# Altium PCB roach2.PcbDoc (part 7 of 39)
Units mil, origin at the board's own origin, x right, y up, seen from the top; angles counter-clockwise.
Board outline 12007.87 x 9606.3 mil, 16 copper layers (L1_TOP, L2_G, L3_S, L4_G, L5_S, L6_P, L7_G, L8_R, L9_R, L10_P, L11_P, L12_S, L13_P, L14_S, L15_G, L16_BOT), stack 81.651 mil thick; 1568 components, 1918 nets, 9251 pads, 6741 vias.
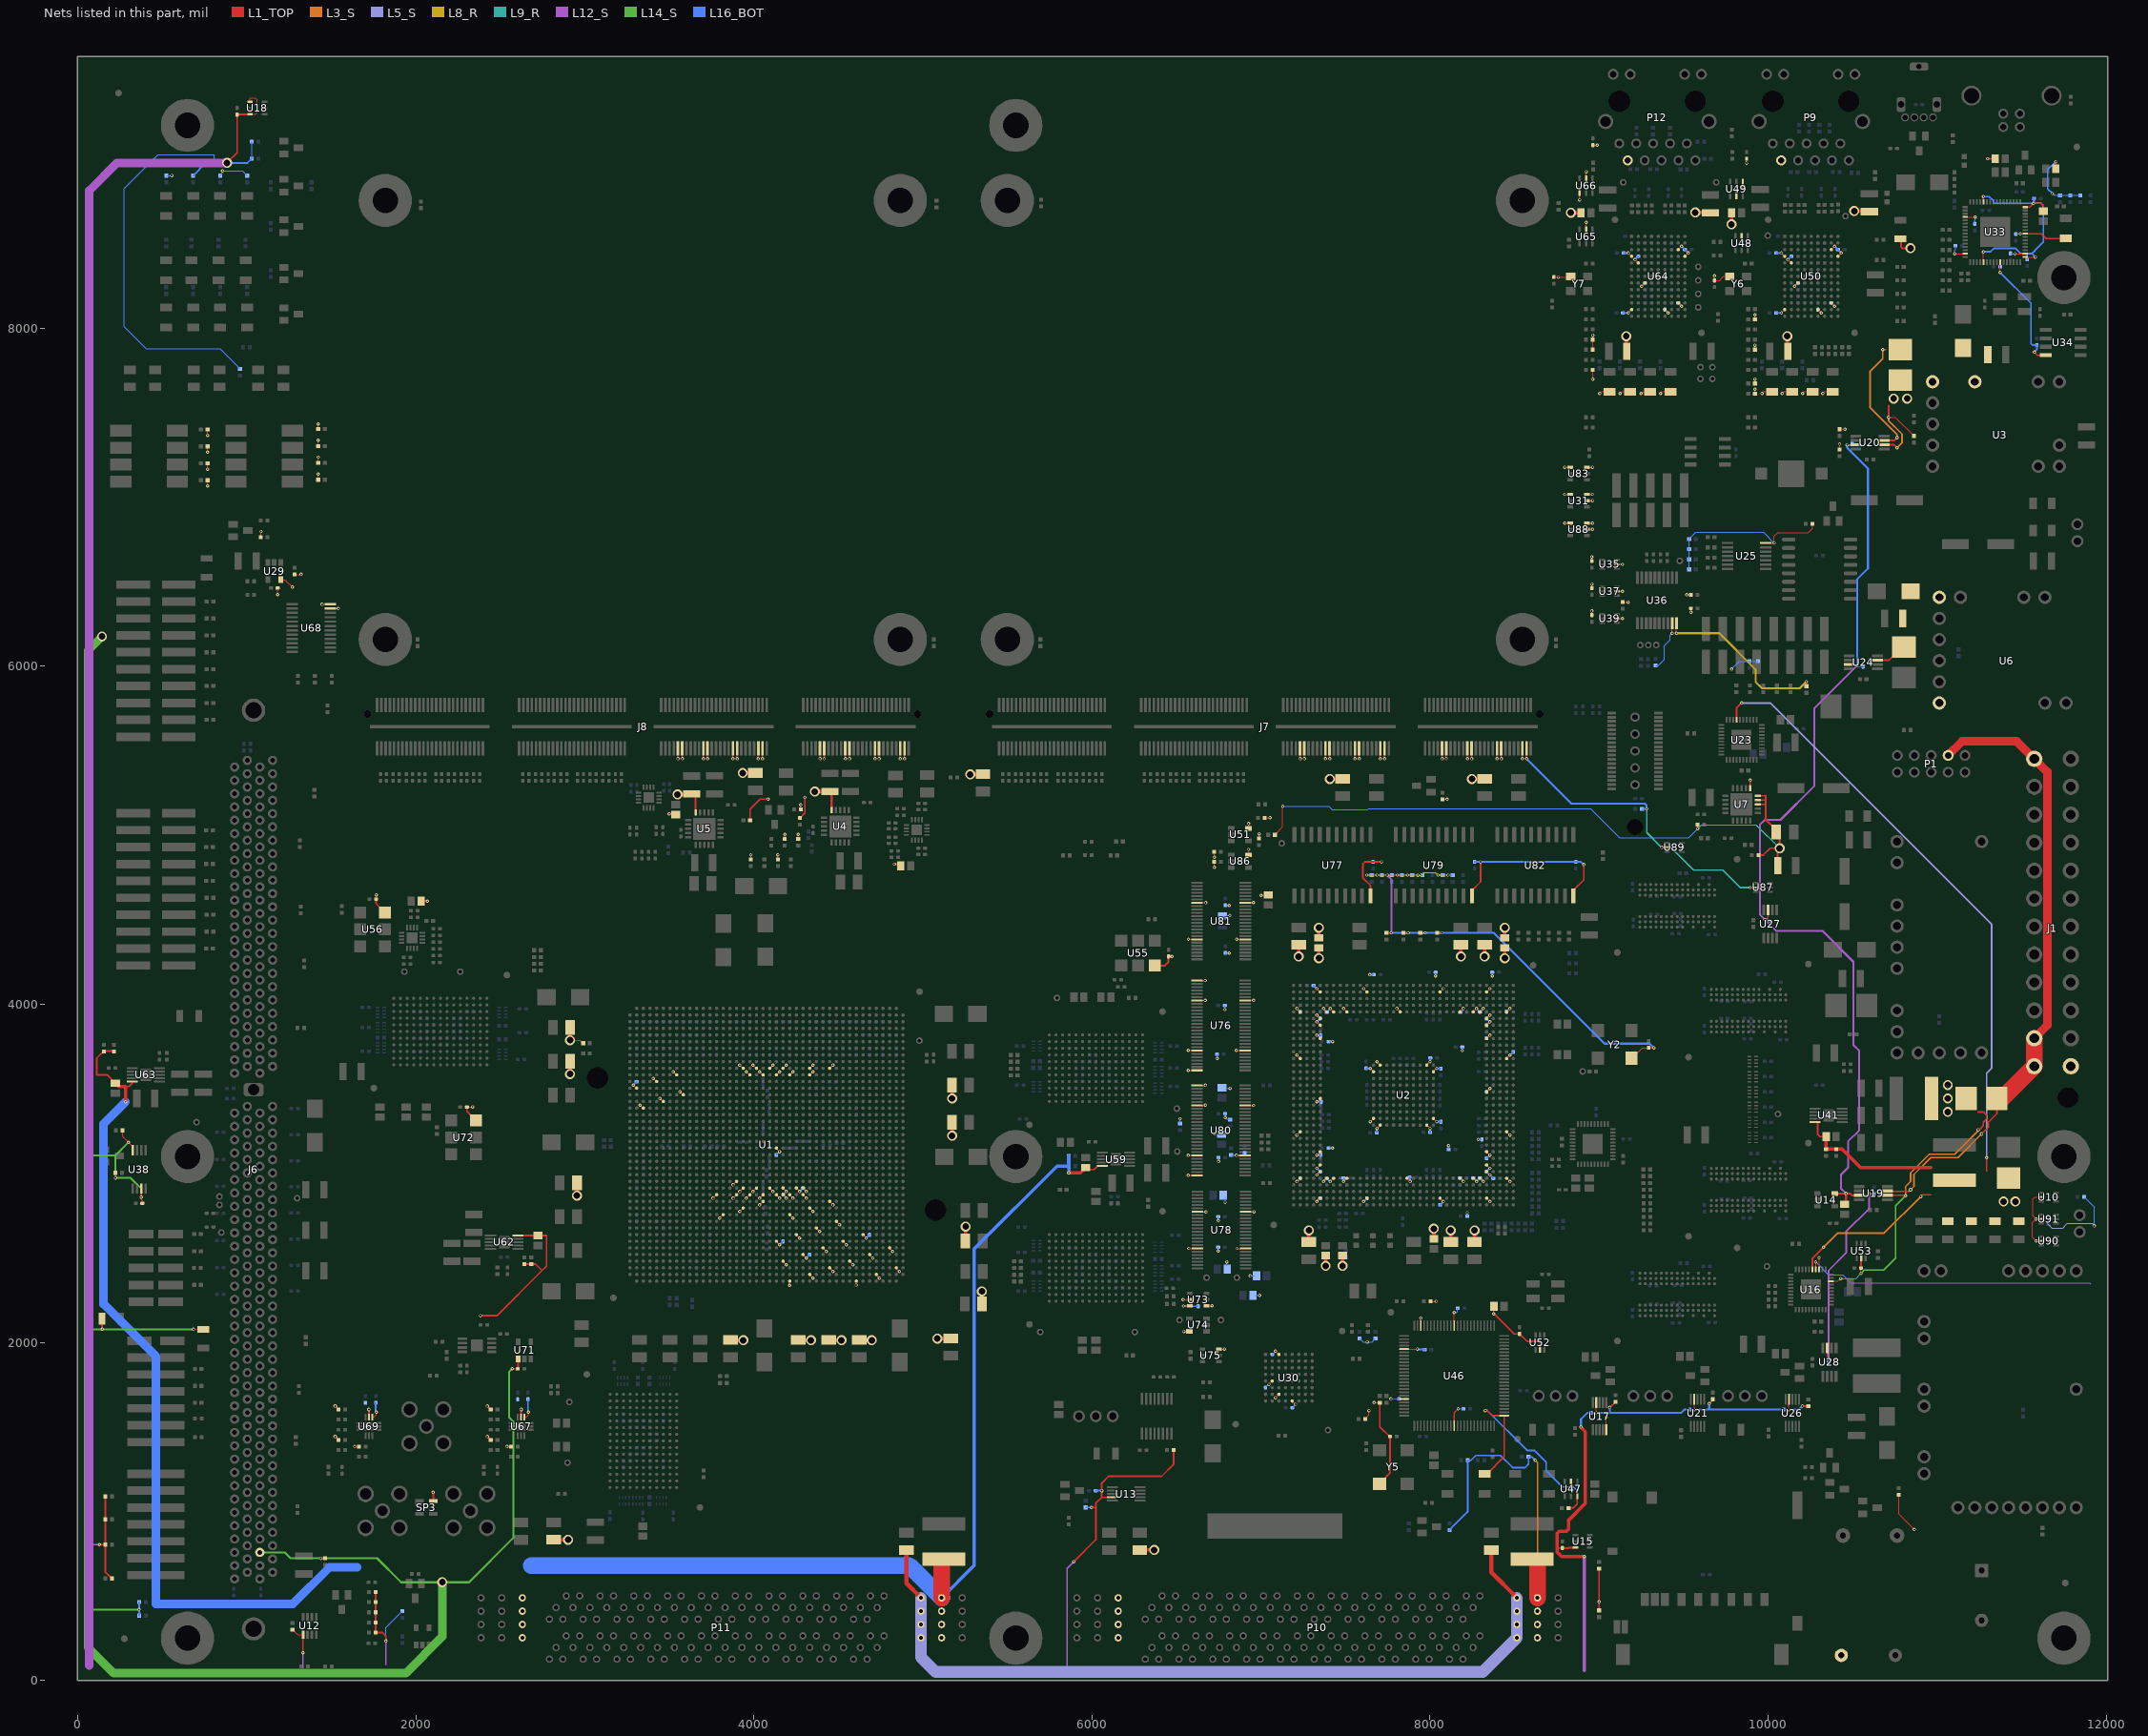
[diagram p21: the nets of this part, all layers, seen from the top]

## Via types
v1: diameter 19.4, hole 10, L1_TOP to L16_BOT, tented both sides, 3354 vias
v2: diameter 19.4, hole 10, L1_TOP to L16_BOT, 1954 vias
v3: diameter 19.4, hole 10, L1_TOP to L16_BOT, tented top, 429 vias
v4: diameter 18.6, hole 10, L1_TOP to L16_BOT, tented both sides, 311 vias
v5: diameter 59.06, hole 39.37, L1_TOP to L16_BOT, 217 vias
v6: diameter 19.4, hole 10.04, L1_TOP to L16_BOT, 125 vias
v7: diameter 19, hole 10, L1_TOP to L16_BOT, 93 vias
v8: diameter 19.4, hole 10, L1_TOP to L16_BOT, tented bottom, 80 vias
v9: diameter 25.98, hole 12.99, L1_TOP to L16_BOT, tented top, 55 vias
v10: diameter 20, hole 10, L1_TOP to L16_BOT, 53 vias
v11: diameter 59.06, hole 39.37, L1_TOP to L16_BOT, tented top, 44 vias
v12: diameter 20, hole 10, L1_TOP to L16_BOT, tented top, 16 vias
v13: diameter 19, hole 10, L1_TOP to L16_BOT, tented top, 5 vias
v14: diameter 25.98, hole 12.99, L1_TOP to L16_BOT, 4 vias
v15: diameter 50, hole 28, L1_TOP to L16_BOT, 1 vias

## Nets (pads, with @x,y where several pads share a name; then routed paths per layer and width w, separated by ;. In a path a pad name is that pad's centre, name@x,y a point inside that pad or via, vN(x,y) a via of type N, cw(c..) or ccw(c..) an arc to the next point about the centre after c; other vN are vias at no path point) (continued)
1V8_FTDI: C170.2 C171.2 C185.2 U33.12 U33.37 U33.49 U33.64 | length 1406.7
  L1_TOP w5: U33.37@11274.09,8390.84 v3(11274.09,8451.3) ; U33.12@11274.09,8747.14 v3(11274.09,8778.99) ; U33.49@11521.14,8421.35 v2(11581.6,8421.35)
  L1_TOP w10: U33.64@11521.14,8716.63 11548.08,8716.63 v2(11570.24,8738.79) 11615.19,8738.79 11627.99,8725.99 C185.2@11627.99,8692.52
  L16_BOT w10: v3(11274.09,8451.3) 11275.78,8452.99 11316.18,8452.99 11335.02,8471.83 11464.15,8471.83 11493.96,8442.02 11530.99,8442.02 ; v3@11274.99,8778.09 v3(11274.09,8778.99) 11307.99,8778.99 11331.99,8754.99 11331.99,8738.79 v2(11570.24,8738.79) v2@11573.31,8741.86 ; C171.2@11532.99,8407.68 11532.99,8440.02 11530.99,8442.02 ; C170.2@11573.31,8767.99 v2@11573.31,8741.86 ; v2(11581.6,8421.35) 11560.93,8442.02 ; 11530.99,8442.02 11560.93,8442.02 ; 11560.93,8442.02 11576.99,8458.08 11576.99,8458.99 11627.99,8509.99 11627.99,8725.99 11615.19,8738.79 11576.37,8738.79 v2@11573.31,8741.86
1V8_PPC: C61.2 C62.2 C63.2 C64.2 C65.2 C66.2 C67.2 C68.1 C69.1 C70.2 C71.2 C72.2 C73.2 C74.2 C75.2 C76.2 L9.2 U2.AA13 U2.AB14 U2.AC2 U2.AF5 U2.AH5 U2.AJ5 U2.AK2 U2.AK6 U2.AK7 U2.AK9 U2.AK18 U2.AN5 U2.AN12 U2.V5 | length 956.9
  L1_TOP w5: U2.V5@7862.68,2970.87 v1(7882.36,2951.18) ; U2.AA13@7980.79,3285.83 v1(8000.47,3266.14) ; U2.AB14@8020.16,3325.2 v1(8039.84,3305.51) ; U2.AC2@8059.53,2852.76 v1(8079.21,2833.07) ; U2.AF5@8177.64,2970.87 v1(8197.32,2951.18) ; U2.AH5@8256.38,2970.87 v1(8276.06,2951.18) ; U2.AJ5@8295.75,2970.87 v1(8315.43,2951.18) ; U2.AK2@8335.12,2852.76 v1(8354.8,2833.07) ; U2.AK6@8335.12,3010.24 v1(8354.8,2990.55) ; U2.AK7@8335.12,3049.61 v1(8354.8,3029.92) ; U2.AK9@8335.12,3128.35 v1(8354.8,3108.66) ; U2.AK18@8335.12,3482.68 v1(8354.8,3502.36) ; U2.AN5@8453.23,2970.87 v1(8472.91,2951.18) ; U2.AN12@8453.23,3246.46 v1(8472.91,3226.77)
  L1_TOP w20: L9.2@8022.99,2627.52 v5(8022.99,2672.99) ; C68.1@8122.99,2594.17 8122.99,2592.99 C68.1@8127.99,2587.99 ; C68.1@8122.99,2607.52 v5(8122.99,2662.99) ; C69.1@8257.99,2597.99 8258.58,2598.58 8262.99,2602.99 v5@8262.99,2652.99
  L16_BOT w10: C64.2@7879.92,2976.38 7883.86,2974.41 7882.88,2973.43 7882.36,2972.91 v1(7882.36,2951.18) ; C66.2@8000,3242.13 8000,3265.75 8000.43,3266.18 v1@8001.97,3267.72 ; v1(8039.84,3305.51) 8062.6,3305.51 8063.98,3304.13 8064.96,3303.15 C65.2@8064.96,3305.12 ; C73.2@8059.05,2812.99 8061.02,2812.99 v1@8078.74,2830.71 ; C74.2@8110.24,3147.64 v1(8110.24,3163.39) v1@8110.24,3167.32 ; C61.2@8185.04,2966.54 8197.32,2954.25 v1(8197.32,2951.18) ; C76.2@8220.47,2751.97 v1(8220.47,2767.72) v1@8220.47,2771.65 ; C70.2@8255.91,2972.44 8275.59,2952.76 v1@8276.06,2952.76 ; v1(8276.06,2951.18) v1@8276.06,2952.76 ; v1@8277.56,2952.76 v1@8276.06,2952.76 ; v1@8281.5,3200.79 v1(8285.43,3200.79) C72.2@8301.18,3200.79 ; C62.2@8285.43,2964.57 8276.06,2955.2 v1@8276.06,2952.76 ; C62.2@8295.28,2972.44 v1@8314.96,2952.76 ; C63.2@8334.65,3088.58 8354.33,3108.27 8354.33,3108.66 v1@8354.33,3110.24 ; C67.2@8334.65,3482.28 v1@8354.33,3501.97 ; v1@8352.36,2990.16 8352.36,2990.55 8352.36,2992.13 C71.2@8334.65,3009.84 v1@8352.36,3027.56 ; v1@8356.32,2987.66 8373.85,2970.13 C75.2@8374.04,2969.95 ; v1@8472.44,2950.79 8472.91,2950.79 v1@8474.41,2950.79
  other v5: 8262.99,2662.99
1V8MON: C19.1 C20.2 R11.1 U6.5 U24.3 | length 107.6
  L1_TOP w10: U24.3@10646.65,6035.79 10715.79,6035.79 R11.1@10742.99,6062.99
2V5: C53.2 C280.2 C281.2 C282.2 C283.2 C284.2 C285.2 C286.2 C287.2 C288.2 C297.2 C302.2 C312.1 C313.1 C314.1 C315.1 C316.1 C317.1 C361.1 C362.1 C365.2 C366.2 C371.2 C385.1 C386.2 C388.1 C389.1 C392.2 C393.2 C418.1 C419.2 C506.2 C511.2 C675.1 C676.1 C685.2 C686.2 C687.2 C688.2 C689.2 C690.2 C691.2 C692.2 C693.2 C702.2 C709.2 C719.2 C723.2 C729.2 C735.2 C736.2 C739.2 C740.2 C745.2 C746.2 C749.2 C750.2 DS3.2 DS4.2 DS5.2 DS6.2 DS9.2 DS10.2 DS11.2 DS12.2 L12.1 L21.1 L23.1 L24.1 L25.2 L26.2 P9.9 P10.W4 P10.X4 P10.Y4 P10.Z4 P11.W4 P11.X4 P11.Y4 P11.Z4 P12.9 R3.2 R4.2 R65.2 R233.1 R235.1 R239.1 R240.1 R253.2 R254.2 R258.2 R259.2 R260.2 R261.2 R406.1 R408.1 R410.1 R419.2 R438.2 R493.1 R494.1 U1.AA10 U1.AA28 U1.AB11 U1.AB29 U1.AB30 U1.AC10 U1.AC28 U1.AD11 U1.AD29 U1.AE10 U1.AE28 U1.AE31 U1.AF27 U1.AF29 U1.AH32 U1.AJ29 U1.AP14 U1.AR11 U1.AU15 U1.AV12 U1.AY16 U1.B40 U1.BA13 U1.C37 U1.E41 U1.F38 U1.G35 U1.H42 U1.J39 U1.K36 U1.L33 U1.M10 U1.M30 U1.M40 U1.N37 U1.P34 U1.R10 U1.R11 U1.R31 U1.R41 U1.T28 U1.T29 U1.T38 U1.U28 U1.U35 U1.V11 U1.V29 U1.V32 U1.V42 U1.W10 U1.W28 U1.W29 U1.W39 U1.Y11 U1.Y22 U1.Y29 U1.Y36 U3.6 U6.10 U16.3 U20.2 U48.5 U49.1 U49.5 U50.B4 U50.B9 U50.C2 U50.F7 U50.J8 U50.K1 U50.K9 U50.L2 U51.5 U55.6 U56.6 U64.B4 U64.B9 U64.C2 U64.F7 U64.J8 U64.K1 U64.K9 U64.L2 U65.5 U66.1 U66.5 U67.1 U69.1 U72.6 U73.6 U74.5 U76.7 U76.22 U78.7 U78.18 U80.7 U80.22 U81.7 U81.18 Y6.4 Y7.4 | length 8141.9
  L1_TOP w5: v3(1638.64,1383.2) 1638.85,1382.99 R438.2@1663.31,1382.99 ; U69.1@1742.68,1558.11 1754.11,1558.11 1765.99,1569.99 v2(1765.99,1587.99) ; C729.2@2302.68,3392.99 v2@2334.68,3392.99 ; v3(2538.64,1383.2) 2538.85,1382.99 R419.2@2563.31,1382.99 ; U67.1@2642.68,1558.11 2654.32,1558.11 2665.99,1569.79 v2(2665.99,1587.99) ; v11(2912.99,3787.99) 2972.31,3788 R65.2@2990.31,3770 ; v1(3286.5,3522.09) 3305.87,3502.72 U1.BA13@3306.19,3502.4 ; v1(3325.87,3403.98) 3345.24,3384.61 U1.AY16@3345.56,3384.29 ; v1(3404.61,3561.46) 3423.98,3542.09 U1.AV12@3424.3,3541.77 ; v1(3443.98,3443.35) 3463.35,3423.98 U1.AU15@3463.67,3423.66 ; v1(3522.72,3600.83) 3542.09,3581.46 U1.AR11@3542.41,3581.14 ; v1(3562.09,3482.72) 3581.46,3463.35 U1.AP14@3581.78,3463.03 ; v1(3758.94,2852.79) U1.AJ29@3778.63,2872.48 ; v1(3798.31,2734.68) U1.AH32@3818,2754.37 ; v1(3877.05,2852.79) U1.AF29@3896.74,2872.48 ; v1(3877.05,2931.53) U1.AF27@3896.74,2951.22 ; v1(3916.42,2774.05) U1.AE31@3936.11,2793.74 ; v1(3916.42,2892.16) U1.AE28@3936.11,2911.85 ; v1(3916.42,3640.2) 3935.79,3620.83 U1.AE10@3936.11,3620.51 ; v1(3955.79,2852.79) U1.AD29@3975.48,2872.48 ; v1(3955.79,3600.83) 3975.16,3581.46 U1.AD11@3975.48,3581.14 ; R254.2@3981.99,4857.68 v2(3981.99,4884.34) ; v1(3995.16,2892.16) U1.AC28@4014.85,2911.85 ; v1(3995.16,3640.2) 4014.53,3620.83 U1.AC10@4014.85,3620.51 ; v1(4034.53,2813.42) U1.AB30@4054.22,2833.11 ; v1(4034.53,2852.79) U1.AB29@4054.22,2872.48 ; v1(4034.53,3600.83) 4053.9,3581.46 U1.AB11@4054.22,3581.14 ; U1.AA28@4093.59,2911.85 v1(4113.28,2892.16) ; U1.AA10@4093.59,3620.51 4094.81,3621.73 v1(4113.28,3640.2) ; U1.Y36@4132.96,2596.89 v1(4152.65,2577.2) ; U1.Y29@4132.96,2872.48 v1(4152.65,2852.79) ; U1.Y22@4132.96,3148.07 v1(4152.65,3128.38) ; U1.Y11@4132.96,3581.14 4134.18,3582.36 v1(4152.65,3600.83) ; R253.2@4141.99,4857.68 v2(4141.99,4884.34) ; U1.W39@4172.33,2478.78 v1(4192.02,2459.09) ; U1.W29@4172.33,2872.48 v1(4192.02,2852.79) ; U1.W28@4172.33,2911.85 v1(4192.02,2892.16) ; U1.W10@4172.33,3620.51 4173.55,3621.73 v1(4192.02,3640.2) ; R259.2@4182.99,4978.68 v2(4182.99,5005.34) ; U1.V42@4211.39,2358.09 4211.7,2357.77 v1(4211.7,2336.98) ; U1.V32@4211.7,2754.37 v1(4231.39,2734.68) ; U1.V29@4211.7,2872.48 v1(4231.39,2852.79) ; U1.V11@4211.7,3581.14 4212.92,3582.36 v1(4231.39,3600.83) ; U1.U35@4251.07,2636.26 v1(4270.76,2616.57) ; U1.U28@4251.07,2911.85 v1(4270.76,2892.16) ; R261.2@4262.99,4978.68 v2(4262.99,5005.34) ; R494.1@4277.68,5152.99 v2(4277.68,5179.65) ; U1.T38@4290.44,2518.15 v1(4310.13,2498.46) ; U1.T29@4290.44,2872.48 v1(4310.13,2852.79) ; U1.T28@4290.44,2911.85 v1(4310.13,2892.16) ; U1.R41@4329.81,2400.04 v1(4349.5,2380.35) ; U1.R31@4329.81,2793.74 v1(4349.5,2774.05) ; U1.R11@4329.81,3581.14 4331.03,3582.36 v1(4349.5,3600.83) ; U1.R10@4329.81,3620.51 4331.03,3621.73 v1(4349.5,3640.2) ; U1.P34@4369.18,2675.63 v1(4388.87,2655.94) ; U1.N37@4408.55,2557.52 v1(4428.24,2537.83) ; U1.M40@4447.92,2439.41 v1(4467.61,2419.72) ; U1.M30@4447.92,2833.11 v1(4467.61,2813.42) ; U1.M10@4447.92,3620.51 4449.14,3621.73 v1(4467.61,3640.2) ; U1.L33@4487.29,2715 v1(4506.98,2695.31) ; U1.K36@4526.66,2596.89 v1(4546.35,2577.2) ; U1.J39@4566.03,2478.78 v1(4585.72,2459.09) ; U1.H42@4605.09,2362.09 4605.4,2361.77 v1@4605.4,2340.98 ; U1.G35@4644.77,2636.26 v1(4664.46,2616.57) ; U1.F38@4684.14,2518.15 v1(4703.83,2498.46) ; U1.E41@4723.51,2400.04 v1(4743.2,2380.35) ; U1.C37@4802.25,2557.52 v1(4821.94,2537.83) ; U1.B40@4841.62,2439.41 v1(4861.31,2419.72) ; v2(6540.99,2214.99) 6541.39,2215.39 6584.68,2215.39 U73.6@6588.68,2215.39 ; v2(6542.99,2064.99) 6543.39,2065.39 U74.5@6576.68,2065.39 ; v1(6569.83,3106.37) U80.22@6620.83,3106.37 U80.22@6637.77,3106.37 ; v1@6569.83,3727.31 6569.89,3727.31 U76.22@6620.83,3727.31 U76.22@6637.77,3727.31 ; v1(6570.73,4384.65) U81.18@6621.73,4384.65 U81.18@6638.67,4384.65 ; v1(6572.93,2555.97) U78.18@6623.93,2555.97 U78.18@6640.87,2555.97 ; U80.7@6603.89,3401.64 U80.7@6620.83,3401.64 v1@6671.83,3401.64 ; U76.7@6603.89,4022.59 U76.7@6620.83,4022.59 6669.89,4022.59 v1@6671.83,4022.59 ; U81.7@6604.79,4601.19 U81.7@6621.73,4601.19 v1(6672.73,4601.19) ; U78.7@6606.99,2772.5 U78.7@6623.93,2772.5 v1(6674.93,2772.5) ; U51.5@6926.99,5036.68 6926.99,5041.34 v2@6926.99,5068.99 ; R258.2@7020.68,5102.99 R258.2@7022.68,5102.99 v2@7052.99,5102.99 ; R493.1@8072.99,5212.68 8100.68,5212.68 v2(8100.99,5212.99) ; C709.2@8732.99,8302.68 v2(8758.99,8302.68) ; v2@8760.99,8302.68 v2(8758.99,8302.68) ; Y7.4@8832.99,8306.3 8829.37,8302.68 v2(8758.99,8302.68) ; v2@8885.59,8757.68 v2(8885.59,8759.68) U66.1@8885.59,8799.68 ; U65.5@8922.99,8586.3 v2(8922.99,8626.3) v2@8922.99,8628.3 ; U66.5@8922.99,8886.3 v2(8922.99,8926.3) v2@8922.99,8928.3 ; v2@8962.68,7700.99 v2(8962.68,7698.99) R410.1@8962.68,7752.99 ; R408.1@8962.68,7872.99 R406.1@8962.68,7932.99 v2(8962.68,7958.99) v2@8962.68,7960.99 ; C702.2@8962.99,9083.31 v2(8988.99,9083.31) v2@8990.99,9083.31 ; v2(9003.94,7614.17) 9013.7,7623.94 DS9.2@9062.99,7623.94 ; v2(9123.94,7614.17) 9133.7,7623.94 DS10.2@9182.99,7623.94 ; v1(9173.23,8090.55) U64.B9@9192.91,8110.24 ; v1(9173.23,8444.88) U64.K9@9192.91,8425.2 ; v1(9212.6,8405.51) U64.J8@9232.28,8385.83 ; v2(9247.94,7613.23) 9257.7,7622.99 9302.99,7622.99 DS11.2@9306.99,7622.99 ; v1(9251.97,8248.03) U64.F7@9271.65,8267.72 ; v2(9363.94,7614.17) 9373.7,7623.94 DS12.2@9422.99,7623.94 ; U64.B4@9389.76,8110.24 v1(9409.45,8090.55) ; U64.C2@9468.5,8149.61 v1(9488.19,8129.92) ; U64.L2@9468.5,8464.57 v1(9488.19,8484.25) ; U64.K1@9507.87,8425.2 v1(9527.56,8444.88) ; v2(9682.99,8309.26) C302.2@9682.99,8282.68 9712.68,8282.68 9736.3,8306.3 Y6.4@9772.99,8306.3 ; U49.5@9812.99,8779.68 v2(9812.99,8811.12) ; v2(9842.99,8514.87) U48.5@9842.99,8546.3 ; v2(9850.39,8834.87) U49.1@9850.39,8866.3 ; v2(9872.99,8976.72) C297.2@9872.99,9003.31 ; R240.1@9922.68,7612.99 v2(9922.68,7639.57) ; R235.1@9922.68,7672.99 v2(9922.68,7699.57) ; R239.1@9922.68,7872.99 v2(9922.68,7899.57) ; R233.1@9922.68,8052.99 v2(9922.68,8079.57) ; v2(9963.94,7614.17) 9973.7,7623.94 DS3.2@10022.99,7623.94 ; v1(10078.74,8090.55) U50.B9@10098.43,8110.24 ; v1(10078.74,8444.88) U50.K9@10098.43,8425.2 ; v2(10083.94,7614.17) 10093.7,7623.94 DS4.2@10142.99,7623.94 ; v1(10118.11,8405.51) U50.J8@10137.8,8385.83 ; v1(10157.48,8248.03) U50.F7@10177.17,8267.72 ; v2(10203.94,7614.17) 10213.7,7623.94 DS5.2@10262.99,7623.94 ; U50.B4@10295.28,8110.24 v1(10314.96,8090.55) ; v7(10302,2501) 10302.2,2500.8 U16.3@10302.2,2432.09 ; v2(10323.94,7614.17) 10333.7,7623.94 DS6.2@10382.99,7623.94 ; U50.C2@10374.02,8149.61 v1(10393.7,8129.92) ; U50.L2@10374.02,8464.57 v1(10393.7,8484.25) ; U50.K1@10413.39,8425.2 v1(10433.07,8444.88) ; v10(10712.99,7472.99) 10752.68,7472.99 R3.2@10862.99,7362.68
  L1_TOP w10: v3(1765.68,4647.31) C511.2@1765.68,4622.99 1765.68,4596.12 U56.6@1818.81,4542.99 ; L23.1@2044.68,4610.31 v2(2068.99,4610.31) ; C729.2@2302.68,3392.99 2302.68,3367.12 U72.6@2356.81,3312.99 ; U20.2@10686.65,7310.2 10745.79,7310.2 v10(10762.99,7292.99) ; v10(10712.99,7472.99) 10712.99,7542.99
  L1_TOP w12: v2(3498.99,5126.99) L26.2@3534.99,5126.99 ; v2(4830.99,4828.99) L25.2@4866.99,4828.99 ; U55.6@6372.99,4229.17 6431.17,4229.17 6452.99,4250.99 C506.2@6452.99,4283.31 ; C506.2@6456.99,4282.99 v3(6472.99,4282.99)
  L1_TOP w20: C675.1@2815.99,832.81 v5(2901.58,832.81) ; v11(2912.99,3587.99) 2912.99,3662.99 C313.1@2912.99,3673.58 ; v11(2912.99,3787.99) 2912.99,3862.99 C385.1@2912.99,3873.58 ; v11(2952.99,2867.99) 2952.99,2942.99 C388.1@2952.99,2953.58 ; C316.1@3852.4,2012.99 3862.99,2012.99 v11(3937.99,2012.99) ; C389.1@4252.4,2012.99 4262.99,2012.99 v11(4337.99,2012.99) ; C361.1@4432.4,2012.99 4442.99,2012.99 v11(4517.99,2012.99) ; C418.1@4612.4,2012.99 4622.99,2012.99 v11(4697.99,2012.99) ; v5(5084.99,2022.99) 5164.99,2022.99 C362.1@5170.58,2022.99 ; v5(5172.99,3222.99) 5172.99,3302.99 C314.1@5172.99,3308.58 ; v5(5172.99,3442.99) 5172.99,3522.99 C315.1@5172.99,3528.58 ; C317.1@5252.99,2599.41 5252.99,2600 v5(5252.99,2685) ; C312.1@5348.89,2216.2 5348.89,2226.79 v11(5348.89,2301.79) ; C676.1@6282.99,771.81 v5(6368.58,771.81) ; L12.1@8442.99,4397.52 v5@8442.99,4442.99 ; v5@8832.99,8702.99 8842.99,8692.99 8852.99,8682.99 L24.1@8888.46,8682.99 ; C686.2@9160.99,7897.52 v5@9160.99,7942.99 ; v5@9578.99,8684.99 C685.2@9624.46,8684.99 ; v5@9782.99,8624.52 L21.1@9782.99,8669.99 ; C281.2@10112.99,7897.52 v5@10112.99,7942.99 ; v5@10518.99,8692.99 C280.2@10564.46,8692.99
  L3_S w10: v10(10712.99,7472.99) 10712.99,7452.99 10792.99,7372.99 10792.99,7322.99 v10(10762.99,7292.99)
  L16_BOT w5: R260.2@6520.99,3296.65 v2(6520.99,3323.31) ; v2(6723.99,3232.99) C749.2@6747.99,3232.99 ; v8(6740.7,3679.99) C740.2@6740.7,3703.99 ; v8(6746.96,2540.24) C736.2@6746.96,2564.24 ; v8(6748.86,3070.01) C750.2@6748.86,3094.01 ; C746.2@6787.99,4303.36 6789.07,4303.36 v8(6811.99,4303.36) ; C739.2@6792.99,3502.99 v2(6816.99,3502.99) ; C745.2@6797.99,2452.99 v2(6797.99,2476.99) ; v2(6936.63,2392.99) C735.2@6960.63,2392.99
  L16_BOT w10: C723.2@1762.99,1643.31 1762.99,1590.99 v2(1765.99,1587.99) ; C719.2@2662.99,1663.31 2662.99,1590.99 v2(2665.99,1587.99) ; v1@3287.4,3523.62 C419.2@3306.09,3542.31 C419.2@3307.09,3543.31 ; C371.2@4133.86,3110.24 4152.33,3128.7 v1@4153.54,3129.92 ; v1@4153.54,2578.74 C365.2@4172.23,2597.43 C365.2@4173.23,2598.42 ; C392.2@4174.21,2873.03 v1@4192.91,2854.33 ; v1@4271.65,2893.7 C393.2@4290.34,2912.39 ; C393.2@4292.32,2912.4 v1@4311.02,2893.7 ; v1@4311.02,2500 C366.2@4329.71,2518.68 C366.2@4330.71,2519.68 ; v1@4665.36,2618.11 4683.67,2636.43 C386.2@4684.06,2636.81 ; v2(6540.99,2214.99) 6542.68,2213.31 C53.2@6627.99,2213.31 ; C687.2@9141.73,8090.55 v1(9173.23,8090.55) ; C690.2@9145.67,8444.88 v1(9173.23,8444.88) ; v1(9212.6,8405.51) C691.2@9232.28,8425.2 ; v1(9251.97,8248.03) C688.2@9271.65,8267.72 ; C692.2@9389.76,8110.24 v1(9409.45,8090.55) ; C693.2@9468.5,8149.61 v1(9488.19,8129.92) ; v1(9488.19,8484.25) C689.2@9507.87,8464.57 v1(9527.56,8444.88) ; C286.2@10047.24,8090.55 v1(10078.74,8090.55) ; C287.2@10048.23,8444.88 v1(10078.74,8444.88) ; v1(10118.11,8405.51) C284.2@10137.8,8425.2 ; v1(10157.48,8248.03) C283.2@10177.17,8267.72 ; C288.2@10295.28,8110.24 v1(10314.96,8090.55) ; C282.2@10374.02,8149.61 v1(10393.7,8129.92) ; v1(10393.7,8484.25) C285.2@10413.39,8464.57 v1(10433.07,8444.88)
  other v1: 4605.4,2338.98 6671.89,3402.98 6569.89,3727.39 6669.89,4022.98
  other v2: 2336.68,3392.99 6926.59,5069.39 7053.39,5103.39
  other v5: 8442.99,4452.99 10742.99,7582.99 10822.99,7582.99 9160.99,7952.99 10112.99,7952.99 9782.99,8614.52 8832.99,8682.99 9568.99,8684.99 10508.99,8692.99
2V5_PPC: C85.2 C86.2 C87.2 C88.2 C89.2 C90.2 C94.1 C95.1 C96.2 C97.2 C98.2 C99.2 C100.2 C101.2 L12.2 U2.AA22 U2.AB21 U2.AC33 U2.AF30 U2.AH30 U2.AJ30 U2.AK26 U2.AK28 U2.AK29 U2.AK33 U2.AN23 U2.AN30 | length 807.4
  L1_TOP w5: U2.AA22@7980.79,3640.16 v1(8000.47,3659.84) ; U2.AB21@8020.16,3600.79 v1(8039.84,3620.47) ; U2.AC33@8059.53,4073.23 v1(8079.21,4092.91) ; U2.AF30@8177.64,3955.12 v1(8197.32,3974.8) ; U2.AH30@8256.38,3955.12 v1(8276.06,3974.8) ; U2.AJ30@8295.75,3955.12 v1(8315.43,3974.8) ; U2.AK26@8335.12,3797.64 v1(8354.8,3817.32) ; U2.AK28@8335.12,3876.38 v1(8354.8,3896.06) ; U2.AK29@8335.12,3915.75 v1(8354.8,3935.43) ; U2.AK33@8335.12,4073.23 v1(8354.8,4092.91) ; U2.AN23@8453.23,3679.53 v1(8472.91,3699.21) ; U2.AN30@8453.23,3955.12 v1(8472.91,3974.8)
  L1_TOP w20: v5@8182.99,4292.99 C94.1@8182.99,4338.46 ; v5@8322.99,4292.99 C95.1@8322.99,4338.46 ; v5@8442.99,4282.99 L12.2@8442.99,4328.46
  L16_BOT w10: v1(8000.47,3659.84) 8000.47,3679.61 8001.97,3681.1 C85.2@8001.97,3683.07 ; v8@8033.46,4163.39 v8(8033.46,4167.32) C98.2@8033.46,4183.07 ; v1(8039.84,3620.47) 8064.57,3620.47 C86.2@8064.96,3620.08 ; C90.2@8188.98,3960.63 8197.32,3968.98 v1(8197.32,3974.8) ; v1@8190.94,3722.44 v1(8190.94,3726.38) C99.2@8190.94,3742.13 ; v1@8275.59,3974.41 8275.63,3974.37 C89.2@8295.28,3954.72 v1@8314.96,3974.41 ; C87.2@8334.65,3799.21 v1@8352.36,3816.93 ; C96.2@8334.65,3875.98 v1@8352.36,3893.7 ; v1@8350.39,3895.67 8350.39,3896.06 8350.39,3899.61 C88.2@8334.65,3915.35 v1@8352.36,3933.07 ; v8@8368.11,4163.39 v8(8368.11,4167.32) C101.2@8368.11,4183.07 ; C100.2@8452.76,3956.69 8470.47,3974.41 v1@8472.44,3974.41 ; v1@8474.41,3698.82 8474.41,3699.21 8474.41,3700.79 C97.2@8492.13,3718.5
  other v5: 8442.99,4272.99 8182.99,4282.99 8322.99,4282.99
2V5MON: C3.1 C4.2 R4.1 U3.5 U20.3 | length 724.2
  L1_TOP w10: v10(10677.99,7872.99) 10697.99,7872.99 ; U20.3@10686.65,7335.79 10745.79,7335.79 v10(10762.99,7352.99)
  L3_S w10: v10@10673.86,7871.12 10673.15,7872.68 10675.41,7870.41 10677.99,7867.84 10677.99,7818.99 10602.99,7743.99 10602.99,7531.99 10762.99,7371.99 v10(10762.99,7352.99)
3V3: C15.2 C16.2 C36.1 C42.2 C162.2 C164.2 C166.2 C167.2 C168.2 C191.2 C196.2 C197.2 C198.2 C262.2 C263.2 C265.2 C266.2 C267.2 C273.2 C489.2 C490.2 C673.1 C674.1 C710.1 C711.1 C714.1 C715.1 C727.2 C732.2 C733.2 C734.2 C737.2 C738.2 C741.2 C742.2 C743.2 C744.2 C747.2 C748.2 DS29.2 F7.2 F9.2 J1.13 J6.236 J7.C3 J7.C4 J7.C7 J7.C8 J7.C11 J7.C12 J7.C15 J7.C16 J7.D3 J7.D4 J7.D7 J7.D8 J7.D11 J7.D12 J7.D15 J7.D16 J8.C3 J8.C4 J8.C7 J8.C8 J8.C11 J8.C12 J8.C15 J8.C16 J8.D3 J8.D4 J8.D7 J8.D8 J8.D11 J8.D12 J8.D15 J8.D16 L10.1 L15.1 L16.2 P10.W3 P10.X3 P10.Y3 P10.Z3 P11.W3 P11.X3 P11.Y3 P11.Z3 R1.2 R2.2 R28.2 R80.2 R81.2 R83.1 R84.2 R85.2 R86.2 R87.2 R88.2 R89.2 R90.2 R94.1 R96.2 R97.2 R98.2 R99.2 R100.2 R101.2 R102.2 R103.2 R104.2 R106.2 R116.1 R117.1 R118.1 R120.1 R121.1 R122.1 R140.2 R141.2 R142.2 R145.2 R146.2 R150.2 R192.2 R193.2 R194.2 R195.2 R196.2 R197.2 R198.2 R199.2 R230.2 R269.2 R298.2 R299.2 R342.2 R343.2 R376.2 R377.2 R457.1 R468.2 U4.10 U5.10 U16.4 U19.2 U29.5 U30.D8 U30.F1 U30.F7 U30.G5 U31.1 U31.5 U31.6 U35.5 U36.19 U36.20 U37.5 U38.3 U38.8 U39.5 U46.5 U46.20 U46.38 U46.51 U46.88 U46.98 U47.3 U47.5 U52.5 U53.5 U68.23 U68.24 U71.1 U73.1 U73.5 U75.6 U76.1 U76.28 U76.35 U76.50 U77.20 U78.31 U78.42 U79.20 U80.1 U80.28 U80.35 U80.50 U81.31 U81.42 U82.20 U83.1 U83.6 U86.5 U87.5 U88.1 U88.5 U88.6 U89.5 Y2.4 Y5.4 | length 37751.6
  L1_TOP w5: v2(223.27,2972.8) R140.2@223.31,3002.99 ; R343.2@265.69,3254 265.69,3218.3 v2(300.99,3182.99) 324.61,3159.38 U38.8@324.61,3136.18 ; v2(375.76,2859.62) 375.76,2846.23 382.68,2839.31 C42.2@382.68,2822.99 ; v2(684.99,2076.99) 685.8,2077.8 F7.2@742.99,2077.8 ; v2(768.68,7066.61) R196.2@768.68,7100.99 ; v2(768.68,7166.61) R197.2@768.68,7200.99 ; v2(768.68,7266.61) R198.2@768.68,7300.99 ; v2(768.68,7366.61) R199.2@768.68,7400.99 ; R80.2@1083.31,6762.99 v2(1083.31,6797.38) ; C162.2@1182.68,6462.99 1182.68,6424.9 v2(1183.28,6424.3) ; U29.5@1200.39,6511.81 1226.39,6511.81 v2(1269.8,6468.41) ; R81.2@1282.99,6543.31 1321.09,6543.31 v2(1321.68,6543.9) ; R195.2@1422.99,7398.99 v2(1422.99,7433.38) ; R192.2@1423.31,7102.99 v2(1423.31,7137.38) ; R193.2@1423.31,7202.99 v2(1423.31,7237.38) ; R194.2@1423.31,7302.99 v2(1423.31,7337.38) ; v3(1438.33,722.88) 1438.53,722.68 R89.2@1462.99,722.68 ; v2(1446.03,6366.74) U68.24@1494.2,6366.74 ; U68.23@1494.2,6341.15 v2(1542.36,6341.15) ; v2(2570.68,1843.99) 2571.68,1842.99 C727.2@2603.31,1842.99 ; v2(3551.28,5452.7) J8.C3@3551.28,5515.49 ; v2(3576.28,5452.7) J8.C4@3576.28,5515.49 ; v2(3701.28,5452.7) J8.C7@3701.28,5515.49 ; v2(3726.28,5452.7) J8.C8@3726.28,5515.49 ; v2(3876.28,5452.7) J8.C11@3876.28,5515.49 ; v2(3901.28,5452.7) J8.C12@3901.28,5515.49 ; v2(4026.28,5452.7) J8.C15@4026.28,5515.49 ; v2(4051.28,5452.7) J8.C16@4051.28,5515.49 ; v2(4391.28,5452.7) J8.D3@4391.28,5515.49 ; v2(4416.28,5452.7) J8.D4@4416.28,5515.49 ; v2(4541.28,5452.7) J8.D7@4541.28,5515.49 ; v2(4566.28,5452.7) J8.D8@4566.28,5515.49 ; v2(4716.28,5452.7) J8.D11@4716.28,5515.49 ; v2(4741.28,5452.7) J8.D12@4741.28,5515.49 ; v2(4866.28,5452.7) J8.D15@4866.28,5515.49 ; v2(4891.28,5452.7) J8.D16@4891.28,5515.49 ; v2(6538.99,2252.99) 6539.39,2253.39 U73.5@6586.68,2253.39 ; v1(6569.83,2988.26) U80.28@6620.83,2988.26 U80.28@6637.77,2988.26 ; v1@6569.83,3609.2 U76.28@6620.83,3609.2 U76.28@6637.77,3609.2 ; U80.1@6603.89,3519.75 U80.1@6620.83,3519.75 v1@6671.83,3519.75 ; U76.1@6603.89,4140.7 U76.1@6620.83,4140.7 v1@6671.83,4140.7 ; U73.1@6667.3,2216.59 v2@6710.59,2216.59 ; v2@6723.31,4810.68 R269.2@6723.31,4842.99 ; v2@6723.31,4870.68 R230.2@6723.31,4902.99 ; U75.6@6746.3,1960.39 v2@6778.3,1960.39 ; v1@6855.26,3106.37 U80.35@6906.26,3106.37 U80.35@6923.2,3106.37 ; v1@6855.26,3727.31 U76.35@6906.26,3727.31 U76.35@6923.2,3727.31 ; v1(6856.22,4384.73) U81.31@6907.16,4384.65 U81.31@6924.1,4384.65 ; v1@6858.36,2555.97 U78.31@6909.36,2555.97 U78.31@6926.3,2555.97 ; U80.50@6889.32,3401.64 U80.50@6906.26,3401.64 v1@6957.26,3401.64 ; U76.50@6889.32,4022.59 U76.50@6906.26,4022.59 v1@6957.26,4022.59 ; U81.42@6890.22,4601.19 U81.42@6907.16,4601.19 v1@6958.16,4601.19 ; U78.42@6892.42,2772.5 U78.42@6909.36,2772.5 v1@6960.36,2772.5 ; U86.5@6927.17,4883.86 v2@6927.17,4916.17 ; R86.2@6988.99,4982.65 v2(6988.99,5009.31) ; v2@7000.68,4644.99 C737.2@7032.99,4644.99 ; v1(7047.24,1751.97) U30.G5@7066.93,1771.65 ; v1(7086.61,1673.23) U30.F7@7106.3,1692.91 ; v1(7086.61,1948.82) U30.F1@7106.3,1929.13 ; U30.D8@7185.04,1653.54 v1(7204.73,1633.86) ; v2(7231.28,5452.7) J7.C3@7231.28,5515.49 ; v2(7256.28,5452.7) J7.C4@7256.28,5515.49 ; v2(7381.28,5452.7) J7.C7@7381.28,5515.49 ; v2(7406.28,5452.7) J7.C8@7406.28,5515.49 ; v2(7556.28,5452.7) J7.C11@7556.28,5515.49 ; v2(7581.28,5452.7) J7.C12@7581.28,5515.49 ; R106.2@7616.68,1546.99 7638.99,1569.31 v2(7638.99,1596.99) ; v2(7626.99,4764.36) v2@7627.31,4764.68 ; v2@7671.31,1642.99 R122.1@7703.31,1642.99 ; v2(7706.28,5452.7) J7.C15@7706.28,5515.49 ; v2(7731.28,5452.7) J7.C16@7731.28,5515.49 ; R141.2@7742.99,4422.68 7770.68,4422.68 v2(7770.99,4422.99) ; v2(7768.55,1665.2) U46.20@7846.73,1665.2 ; R142.2@7842.99,4422.68 v2@7870.68,4422.68 ; U46.5@7846.73,1960.47 v2(7924.91,1960.47) ; R146.2@7942.99,4422.68 7970.68,4422.68 v2(7970.99,4422.99) ; U46.98@7946.14,2099.25 v3(7946.14,2144.46) ; R88.2@8002.68,2242.99 v2@8034.68,2242.99 ; R145.2@8042.99,4422.68 8070.68,4422.68 v2(8070.99,4422.99) ; v2(8071.28,5452.7) J7.D3@8071.28,5515.49 ; v2(8096.28,5452.7) J7.D4@8096.28,5515.49 ; v2(8106.99,4764.36) v2@8107.31,4764.68 ; U46.88@8142.99,2099.25 v2(8142.99,2177.43) ; v2(8221.28,5452.7) J7.D7@8221.28,5515.49 ; v2(8246.28,5452.7) J7.D8@8246.28,5515.49 ; v2(8376.99,2168.99) C262.2@8376.99,2200.99 ; v2(8396.28,5452.7) J7.D11@8396.28,5515.49 ; v2(8421.28,5452.7) J7.D12@8421.28,5515.49 ; v2(8546.28,5452.7) J7.D15@8546.28,5515.49 ; v2(8571.28,5452.7) J7.D16@8571.28,5515.49 ; v2(8798.1,6847.4) U88.1@8830.79,6847.4 ; v2(8798.1,7017.4) U31.1@8830.79,7017.4 ; v2(8798.1,7177.4) U83.1@8830.79,7177.4 ; v2(8834.45,1144.87) U47.5@8834.45,1176.3 ; U47.3@8871.85,1089.68 v2(8871.85,1121.12) ; U88.5@8929.21,6810 v2(8961.9,6810) ; U88.6@8929.21,6847.4 v2(8961.9,6847.4) ; U31.5@8929.21,6980 v2(8961.9,6980) ; U31.6@8929.21,7017.4 v2(8961.9,7017.4) ; U83.6@8929.21,7177.4 v2(8961.9,7177.4) ; C197.2@8956.99,6302.68 v3(8956.99,6326.99) ; C196.2@8956.99,6462.68 v3(8956.99,6486.99) ; C191.2@8956.99,6622.68 v3(8956.99,6646.99) ; U39.5@9106.3,6282.99 v2(9138.99,6282.99) ; U37.5@9106.3,6442.99 v3(9138.99,6442.99) ; U35.5@9106.3,6602.99 v2(9138.99,6602.99) ; R150.2@9139.99,6379.68 v2(9172.68,6379.68) ; Y2.4@9192.99,3680.31 9255.98,3743.31 C164.2@9292.99,3743.31 ; v2@9281.36,5155.99 v2(9281.68,5156.31) ; v3(9371.28,4928) U89.5@9402.98,4928 ; v2(9432.56,6195.46) U36.19@9432.56,6254.15 ; v2(9458.15,6195.46) U36.20@9458.15,6254.15 ; v3@9517.31,6422.99 v3(9519.31,6422.99) R85.2@9543.31,6422.99 ; v3@9543.31,6316.99 v3(9543.31,6318.99) C198.2@9543.31,6342.99 ; v3(9894,4691) U87.5@9925.69,4691 ; v7(10282,2476) 10282.52,2475.48 U16.4@10282.52,2432.09 ; R90.2@10422.99,7282.68 v2(10422.99,7314.11) ; R84.2@10422.99,7402.68 v2(10454.42,7402.68) ; v2(10549.69,2408.57) C490.2@10549.69,2440